# Altium PCB OBC.PcbDoc (part 2 of 3)
Units mm, origin at the board's own origin, x right, y up, seen from the top; angles counter-clockwise.
Board outline 90.1 x 95.9 mm, 4 copper layers (Top Layer, GND, VCC, Bottom Layer), stack 1.536 mm thick; 98 components, 128 nets, 651 pads, 791 vias.
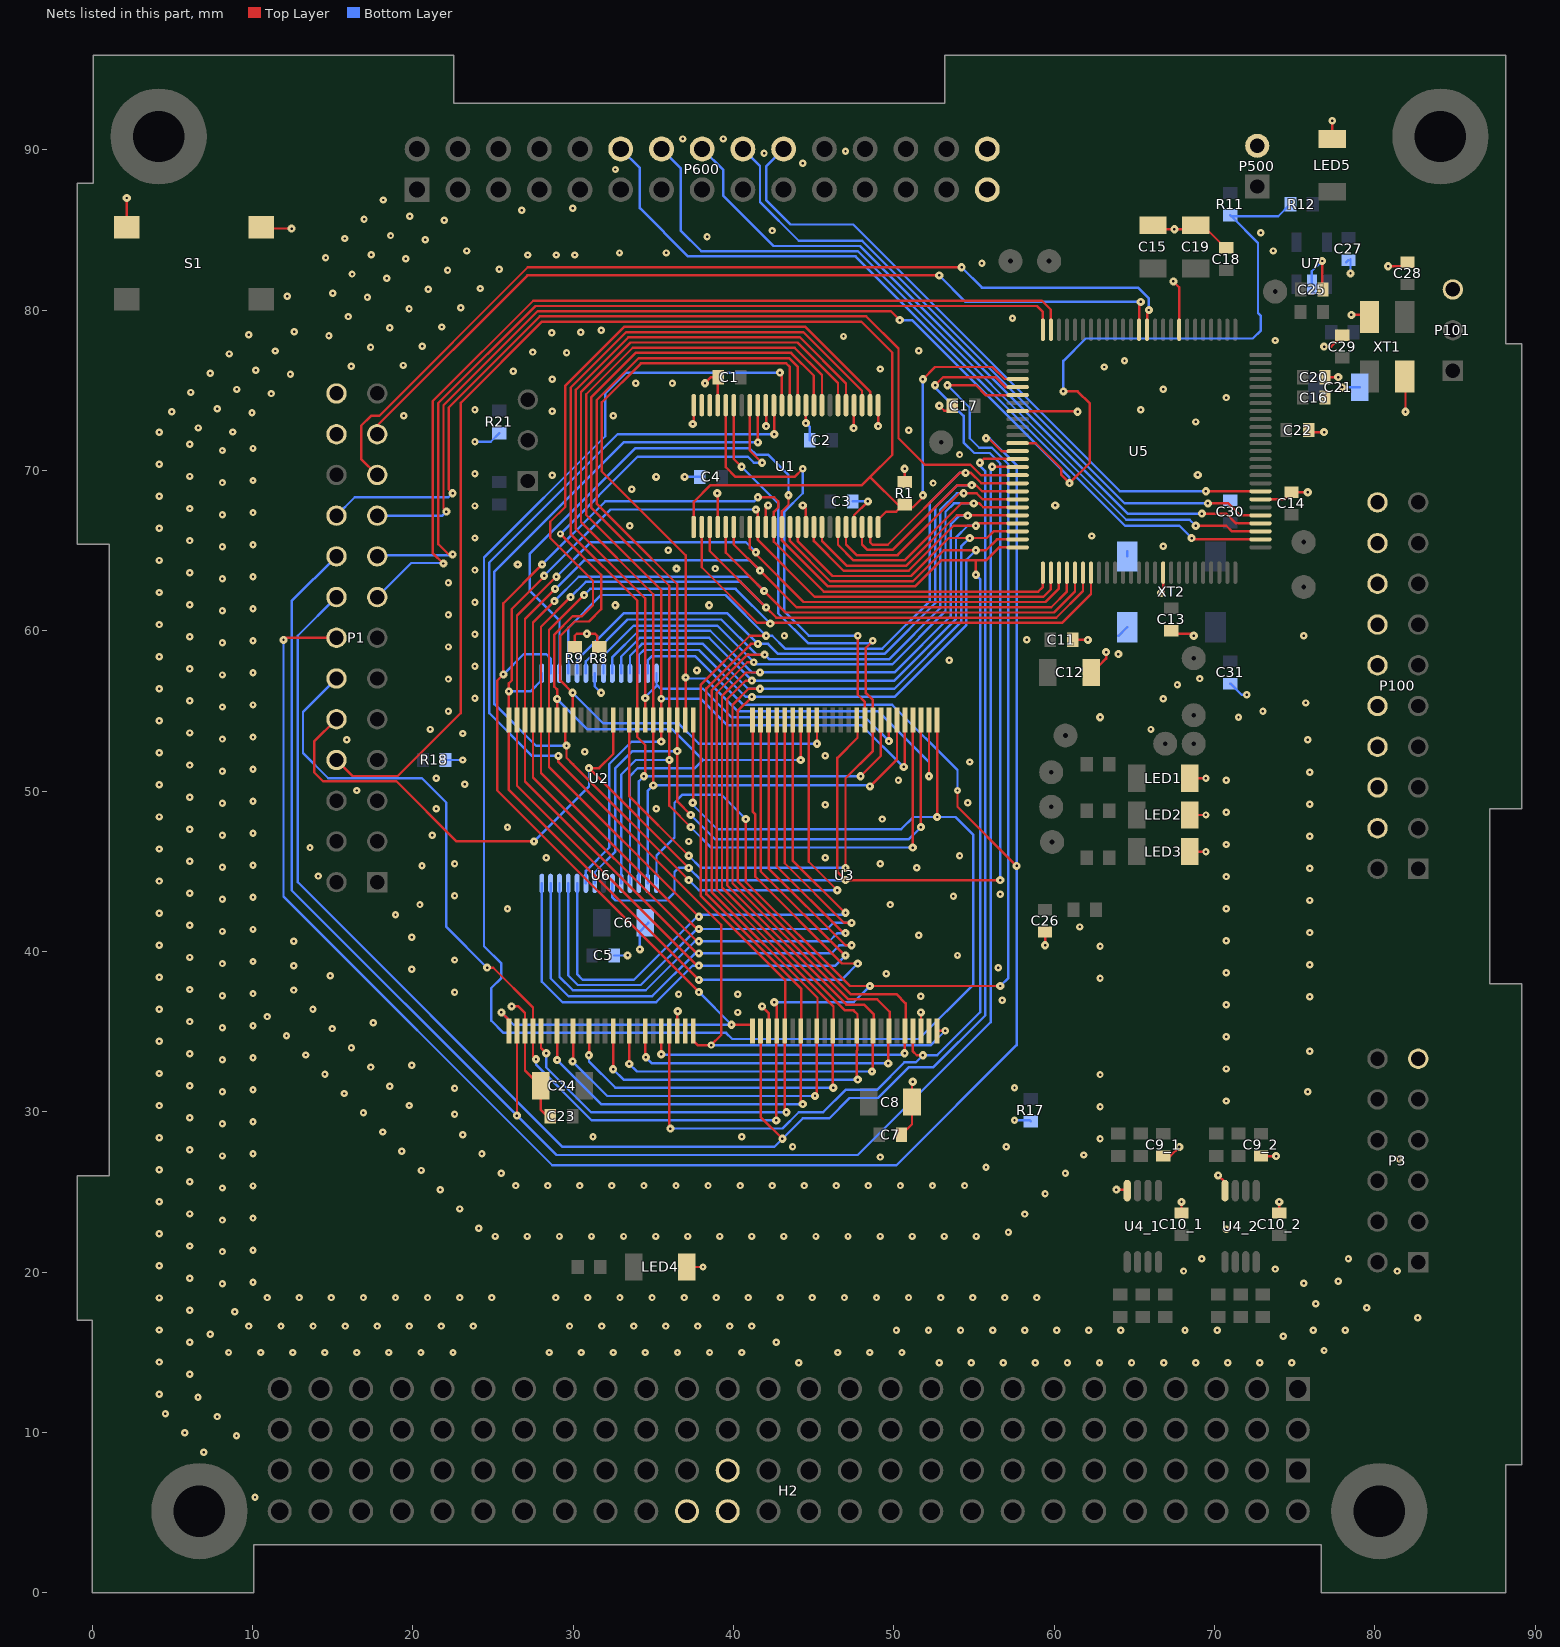
[diagram p4: the nets of this part, all layers, seen from the top]

## Via types
v1: diameter 0.457, hole 0.152, Top Layer to Bottom Layer, tented both sides, 518 vias
v2: diameter 0.508, hole 0.152, Top Layer to Bottom Layer, tented both sides, 273 vias

## Nets (pads, with @x,y where several pads share a name; then routed paths per layer and width w, separated by ;. In a path a pad name is that pad's centre, name@x,y a point inside that pad or via, vN(x,y) a via of type N, cw(c..) or ccw(c..) an arc to the next point about the centre after c; other vN are vias at no path point) (continued)
DBG_PC14: P1.15 U5.74 | length 58
  Top Layer w0.15: v2(21.905,64.196) 21.24,64.861 21.24,74.313 27.51,80.582 59.245,80.582 59.8,80.027 U5.74@59.8,78.802
  Bottom Layer w0.15: P1.15@17.78,62.103 19.905,64.228 21.873,64.228 v2(21.905,64.196)
DBG_PC15: P1.17 U5.75 | length 56.2
  Top Layer w0.15: v2(22.479,64.77) 22.225,64.77 21.59,65.405 21.59,74.198 27.649,80.257 58.935,80.257 59.3,79.892 U5.75@59.3,78.802
  Bottom Layer w0.15: P1.17@17.78,64.643 17.837,64.7 22.409,64.7 v2(22.479,64.77)
DBG_PE2: P1.21 U5.62 | length 59.5
  Top Layer w0.15: P1.21@17.78,69.723 16.78,70.723 16.78,72.787 17.399,73.406 17.907,73.406 27.174,82.673 54.225,82.673 v2(54.229,82.677) ; U5.62@65.8,78.802 65.8,79.897 v2(65.913,80.01)
  Bottom Layer w0.15: v2(54.229,82.677) 55.499,81.407 65.229,81.407 65.913,80.723 v2(65.913,80.01)
DBG_PE3: P1.23 U5.63 | length 54.5
  Top Layer w0.15: P1.23@17.78,72.263 17.78,72.798 27.151,82.169 v2(52.832,82.169) ; U5.63@65.3,78.802 65.3,80.413 v2(65.405,80.518)
  Bottom Layer w0.15: v2(52.832,82.169) 54.483,80.518 v2(65.405,80.518)
DBG_PF9: P1.19 R11.2 R12.2 U5.87 | length 96.2
  Top Layer w0.15: v2(22.098,67.437) 21.915,67.62 21.915,74.064 27.784,79.932 49.819,79.932 v2(50.377,79.375) ; U5.87@57.7,71.702 U5.87@57.725,71.702 58.854,71.702 60.452,70.104 60.452,69.723 v2(60.96,69.215) 62.23,70.485 62.23,74.168 61.468,74.93 v2(60.579,74.93)
  Bottom Layer w0.15: P1.19@17.78,67.183 21.844,67.183 v2(22.098,67.437) ; v2(50.377,79.375) 51.139,79.375 60.96,69.554 v2(60.96,69.215) ; v2(60.579,74.93) 60.579,76.835 61.976,78.232 72.39,78.232 72.898,78.74 72.898,79.629 72.715,79.812 72.715,84.193 R11.2@71.056,85.852 ; R11.2@70.993,85.915 R11.2@71.056,85.852 ; R12.2@74.739,86.614 73.977,85.852 R11.2@71.056,85.852
EBI_A00: U1.36 U2.17 U3.45 U5.100 U6.45 | length 107.6
  Top Layer w0.15: U6.45@35.998,35.047 36.002,35.043 36.002,29.017 v2(36.063,28.956) ; v2(43.434,68.453) 43.434,67.866 43.021,67.453 U1.36@43.021,66.473 43.021,65.639 45.891,62.769 51.333,62.769 52.953,64.389 55.118,64.389 ; U3.45@51.196,35.047 51.196,33.767 51.435,33.528 v2(51.816,33.528) ; v2(55.118,63.5) 55.118,64.389 ; U5.100@57.7,65.202 56.566,65.202 55.753,64.389 55.118,64.389
  Bottom Layer w0.15: U2.17@29.148,57.35 29.148,60.641 27.305,62.484 27.305,64.812 33.867,71.374 41.021,71.374 41.402,70.993 42.164,70.993 43.434,69.723 v2(43.434,68.453) ; v2(36.063,28.956) 43.053,28.956 44.069,29.972 45.593,29.972 46.99,31.369 48.943,31.369 50.665,33.091 51.379,33.091 v2(51.816,33.528) 52.705,33.528 55.386,36.209 55.386,63.232 v2(55.118,63.5)
EBI_A01: U1.35 U2.16 U3.25 U5.1 U6.25 | length 96.9
  Top Layer w0.15: v2(25.527,36.195) 25.998,35.724 U6.25@25.998,35.047 U6.25@25.998,34.507 ; v2(28.067,64.135) 25.654,61.722 v2(25.654,57.277) 25.273,56.896 25.273,50.038 v2(37.846,37.465) ; v2(39.878,35.433) 41.196,35.433 U3.25@41.196,35.047 ; v2(41.529,68.326) 42.545,68.326 42.799,68.072 42.799,67.691 42.521,67.413 U1.35@42.521,66.473 42.521,65.556 45.633,62.444 59.015,62.444 59.3,62.729 U5.1@59.3,63.602
  Bottom Layer w0.15: v2(25.527,36.195) 26.289,35.433 v2(39.878,35.433) v2(37.846,37.465) ; v2@25.658,57.273 v2(25.654,57.277) 26.924,58.547 28.321,58.547 28.598,58.27 U2.16@28.598,57.35 ; v2(28.067,64.135) 32.004,68.072 41.275,68.072 v2(41.529,68.326)
EBI_A02: U1.33 U2.15 U3.24 U5.2 U6.24 | length 100.5
  Top Layer w0.15: v2(28.194,63.436) 28.194,63.373 26.177,61.356 26.177,56.907 25.998,56.728 v2(25.998,56.224) U6.24@25.998,54.447 25.998,50.075 v2(37.846,38.227) ; U3.24@41.196,54.447 41.196,48.72 41.371,48.545 41.371,44.658 46.781,39.247 47.748,39.247 v2(47.752,39.243) ; v2(41.402,67.564) 41.512,67.564 41.521,67.556 U1.33@41.521,66.473 41.521,65.667 45.069,62.119 59.325,62.119 59.8,62.594 U5.2@59.8,63.602
  Bottom Layer w0.15: v2(25.998,56.224) 27.349,56.224 28.048,56.923 U2.15@28.048,57.35 ; v2(28.194,63.436) 32.322,67.564 v2(41.402,67.564) ; v2(37.846,38.227) 46.736,38.227 v2(47.752,39.243)
EBI_A03: U1.32 U2.14 U3.23 U5.3 U6.23 | length 110.8
  Top Layer w0.15: v2(28.956,63.373) 28.927,63.373 26.502,60.948 26.502,54.451 U6.23@26.498,54.447 26.498,50.337 37.719,39.116 v2(37.846,39.116) ; U1.32@41.021,66.473 41.021,65.151 41.275,64.897 v2(41.402,64.897) 41.402,64.77 44.378,61.794 59.459,61.794 60.3,62.634 U5.3@60.3,63.602 ; U3.23@41.696,54.447 41.696,45.004 46.948,39.751 v2(46.99,39.751)
  Bottom Layer w0.15: U2.14@28.048,44.25 28.048,38.119 29.337,36.83 35.179,36.83 37.465,39.116 v2(37.846,39.116) 46.355,39.116 v2(46.99,39.751) ; v2(28.956,63.373) 31.115,65.532 40.767,65.532 v2(41.402,64.897)
EBI_A04: U1.30 U2.13 U3.22 U5.4 U6.22 | length 109.8
  Top Layer w0.15: v2(28.878,62.611) 26.998,60.731 U6.22@26.998,54.447 26.998,50.599 37.719,39.878 v2(37.846,39.878) ; U1.30@40.021,66.473 40.021,65.389 v2(41.656,63.754) 43.941,61.469 59.818,61.469 60.8,62.451 U5.4@60.8,63.602 ; U3.22@42.196,54.447 42.196,45.18 46.99,40.386 v2(47.371,40.386)
  Bottom Layer w0.15: U2.13@28.598,44.25 28.598,38.331 29.718,37.211 34.925,37.211 37.592,39.878 v2(37.846,39.878) 46.101,39.878 46.609,40.386 v2(47.371,40.386) ; v2(28.878,62.611) 28.907,62.611 30.685,64.389 41.021,64.389 v2(41.656,63.754)
EBI_A05: U1.29 U2.12 U3.21 U5.5 U6.21 | length 107.6
  Top Layer w0.15: v2@28.892,61.912 v2(28.829,61.849) 27.498,60.518 U6.21@27.498,54.447 27.498,50.861 37.719,40.64 v2(37.846,40.64) ; U1.29@39.521,66.473 39.521,64.873 v2(41.91,62.484) 43.25,61.144 60.001,61.144 61.3,62.443 U5.5@61.3,63.602 ; U3.21@42.696,54.447 42.696,45.315 46.863,41.148 v2(46.99,41.148)
  Bottom Layer w0.15: v2(28.829,61.849) 30.353,63.373 41.021,63.373 v2(41.91,62.484) ; U2.12@29.148,44.25 29.148,38.416 29.983,37.581 34.533,37.581 37.592,40.64 v2(37.846,40.64) 45.974,40.64 46.482,41.148 v2(46.99,41.148)
EBI_A06: U1.27 U2.11 U3.20 U5.6 U6.20 | length 107.1
  Top Layer w0.15: v2(29.845,62.103) 27.998,60.256 U6.20@27.998,54.447 27.998,51.123 37.719,41.402 v2(37.846,41.402) ; U1.27@38.521,66.473 38.521,64.976 v2(42.037,61.46) 42.678,60.819 60.135,60.819 61.8,62.483 U5.6@61.8,63.602 ; U3.20@43.196,54.447 43.196,45.5 46.912,41.783 v2(47.371,41.783)
  Bottom Layer w0.15: U2.11@29.698,44.25 29.698,38.501 30.293,37.906 34.223,37.906 37.719,41.402 v2(37.846,41.402) 45.847,41.402 46.228,41.783 v2(47.371,41.783) ; v2(29.845,62.103) 30.79,63.048 40.449,63.048 v2(42.037,61.46)
EBI_A07: U1.26 U2.10 U3.19 U5.7 U6.19 | length 105.5
  Top Layer w0.15: v2(30.685,62.23) 28.494,60.039 28.494,54.451 U6.19@28.498,54.447 28.498,51.512 v2(37.846,42.164) ; U1.26@38.021,66.473 38.021,63.96 41.487,60.494 42.291,60.494 60.494,60.494 62.3,62.3 U5.7@62.3,63.602 ; U3.19@43.696,54.447 43.692,54.443 43.692,45.674 46.948,42.418 v2(46.99,42.418)
  Bottom Layer w0.15: U2.10@30.248,44.25 30.248,38.586 30.603,38.231 33.786,38.231 37.719,42.164 v2(37.846,42.164) 37.973,42.291 46.863,42.291 v2(46.99,42.418) ; v2(30.685,62.23) 31.066,62.611 40.132,62.611 v2(42.291,60.452)
EBI_A08: U1.2 U2.4 U3.18 U6.18 | length 77.7
  Top Layer w0.15: U6.18@28.998,54.447 v2(28.998,55.753) 28.998,56.346 28.829,56.515 28.829,59.769 29.964,60.904 30.551,60.904 31.242,61.595 31.242,63.119 28.575,65.786 28.575,66.802 29.515,67.742 29.515,75.295 33.177,78.957 44.491,78.957 48.521,74.928 U1.2@48.521,74.073 ; v2(44.196,51.943) U3.18@44.196,54.447
  Bottom Layer w0.15: v2(28.998,55.753) 30.903,53.848 36.195,53.848 38.1,51.943 ; U2.4@33.548,44.25 33.548,50.947 34.036,51.435 37.592,51.435 38.1,51.943 ; v2(44.196,51.943) 38.1,51.943
EBI_A09: U1.3 U2.3 U3.8 U6.8 | length 72.7
  Top Layer w0.15: U6.8@33.923,54.522 U6.8@33.994,54.451 ; v2(34.417,50.927) 34.502,51.012 34.502,52.874 33.998,53.378 U6.8@33.998,54.447 U6.8@33.994,54.451 ; v2(47.927,50.927) 49.192,52.191 49.192,54.443 U3.8@49.196,54.447 ; U1.3@48.021,74.073 48.021,74.969 44.357,78.632 33.312,78.632 29.84,75.161 29.84,66.045 33.998,61.887 33.998,56.012 33.994,56.008 U6.8@33.994,54.451
  Bottom Layer w0.15: U2.3@34.098,44.25 34.098,50.608 v2(34.417,50.927) v2(47.927,50.927)
EBI_A10: U1.5 U2.28 U3.7 U6.7 | length 62.3
  Top Layer w0.15: U6.7@34.498,54.447 v2(34.498,55.799) 34.498,62.022 30.165,66.355 30.165,75.026 33.446,78.307 44.144,78.307 47.021,75.431 U1.5@47.021,74.073 ; v2(49.696,53.125) U3.7@49.696,54.447
  Bottom Layer w0.15: v2(34.498,55.799) 34.498,55.863 35.198,56.563 35.198,56.642 ; U2.28@35.198,57.35 35.198,56.642 ; v2(49.696,53.125) 48.21,54.61 39.878,54.61 38.1,56.388 35.452,56.388 35.198,56.642
EBI_A11: U1.6 U2.2 U3.6 U6.6 | length 70.8
  Top Layer w0.15: v2(35,50.36) 34.994,50.366 34.994,54.443 U6.6@34.998,54.447 35.002,54.451 35.002,62.28 30.49,66.792 30.49,74.892 33.581,77.982 43.987,77.982 46.521,75.449 U1.6@46.521,74.073 ; v2(48.514,50.292) 50.2,51.978 U3.6@50.2,54.416 ; U3.6@50.165,54.416 U3.6@50.196,54.447
  Bottom Layer w0.15: U2.2@34.648,44.25 34.648,50.009 v2(35,50.36) 48.446,50.36 v2(48.514,50.292)
EBI_A12: U1.8 U2.9 U3.5 U6.5 | length 73.8
  Top Layer w0.15: v2(35.498,53.086) U6.5@35.498,54.447 v1(35.498,55.753) 35.498,62.546 30.815,67.229 30.815,74.757 33.715,77.657 43.812,77.657 45.521,75.949 U1.8@45.521,74.073 ; v2(50.621,51.51) 50.696,51.585 U3.5@50.696,54.447
  Bottom Layer w0.15: U2.9@30.798,44.25 30.798,45.022 32.258,46.482 32.258,51.689 33.655,53.086 v2(35.498,53.086) ; v1(35.498,55.753) 37.973,55.753 39.624,54.102 48.005,54.102 50.598,51.51 v2(50.621,51.51)
EBI_A13: U1.9 U2.5 U3.4 U6.4 | length 79.3
  Top Layer w0.15: v2(37.338,47.752) 36.002,49.088 v2(36.002,51.943) 36.002,52.283 35.994,52.291 35.994,52.709 36.002,52.717 36.002,53.295 35.998,53.299 U6.4@35.998,54.447 35.998,62.808 31.14,67.666 31.14,74.574 33.898,77.332 43.598,77.332 45.021,75.909 U1.9@45.021,74.073 ; v2(51.181,46.482) 51.185,46.486 51.185,54.436 U3.4@51.196,54.447
  Bottom Layer w0.15: U2.5@32.998,44.25 32.998,51.032 33.909,51.943 v2(36.002,51.943) ; v2(37.338,47.752) 38.608,46.482 v2(51.181,46.482)
EBI_A14: U1.11 U2.8 U3.3 U6.3 | length 78.6
  Top Layer w0.15: v2(37.338,48.514) 36.506,49.346 36.506,52.492 v2(36.498,52.5) U6.3@36.498,54.447 36.494,54.451 36.494,56.47 36.498,56.474 36.498,62.904 33.332,66.069 33.33,66.069 31.465,67.934 31.465,74.382 34.09,77.007 43.461,77.007 44.021,76.447 U1.11@44.021,74.073 ; v2(51.689,47.752) 51.692,47.755 51.692,54.443 U3.3@51.696,54.447
  Bottom Layer w0.15: U2.8@31.348,44.25 31.348,44.937 32.639,46.228 32.639,51.435 33.704,52.5 v2(36.498,52.5) ; v2(37.338,48.514) 38.862,46.99 50.927,46.99 v2(51.689,47.752)
EBI_A15: U1.12 U3.2 U6.2 | length 59
  Top Layer w0.15: U6.2@36.998,54.447 37.019,54.467 v2(37.019,57.088) 37.019,64.708 31.79,69.937 31.79,74.247 34.225,76.682 43.292,76.682 43.521,76.454 U1.12@43.521,74.073 ; v2(52.196,50.928) U3.2@52.196,54.447
  Bottom Layer w0.15: v2(37.019,57.088) 37.08,57.027 38.223,57.027 40.259,54.991 49.022,54.991 52.196,51.817 v2(52.196,50.928)
EBI_A16: U1.13 U3.1 U6.1 | length 128.3
  Top Layer w0.15: v2(37.465,49.276) 37.465,49.215 37.498,49.182 37.498,49.276 U6.1@37.498,54.447 U6.1@37.484,54.461 ; v2(42.894,76.105) 43.021,76.105 U1.13@43.021,74.073 ; U3.1@52.696,54.447 52.7,54.443 52.7,48.392 v2(52.705,48.387)
  Bottom Layer w0.15: v2(37.465,49.276) 37.465,49.149 38.989,47.625 50.458,47.625 51.22,48.387 v2(52.705,48.387) 53.848,48.387 54.962,47.273 54.962,37.944 51.561,34.543 39.928,34.543 39.546,34.925 25.654,34.925 24.892,35.687 24.892,37.719 25.527,38.354 25.527,39.243 24.44,40.33 24.44,64.572 32.004,72.136 32.004,74.803 33.306,76.105 v2(42.894,76.105)
EBI_A17: U1.14 U3.48 U6.48 | length 77.6
  Top Layer w0.15: v2(29.083,52.197) 29.083,51.816 39.243,41.656 39.243,34.798 v1(38.608,34.163) 37.757,34.163 37.498,34.422 U6.48@37.498,35.047 ; U1.14@42.521,74.073 42.545,74.048 v2(42.545,72.263) ; U3.48@52.701,35.052 U3.48@52.696,35.047 53.208,35.047 v1(53.213,35.052)
  Bottom Layer w0.15: v2(29.083,52.197) 27.432,52.197 24.765,54.864 24.765,64.262 32.766,72.263 v2(42.545,72.263) ; v1(38.608,34.163) 52.324,34.163 v1(53.213,35.052)
EBI_A18: U1.16 U3.17 U6.17 | length 70.1
  Top Layer w0.15: U6.17@29.464,54.481 U6.17@29.498,54.447 29.498,52.925 v2(29.587,52.836) 29.587,52.082 30.002,51.667 29.998,51.663 v2(37.211,44.45) ; U1.16@41.521,74.073 41.521,71.763 v2(41.529,71.755) ; U3.17@44.696,54.447 44.7,54.443 44.7,45.595 v2(46.477,43.818)
  Bottom Layer w0.15: v2(29.587,52.836) 27.69,52.836 27.686,52.832 25.09,55.428 25.09,63.698 33.147,71.755 v2(41.529,71.755) ; v2(37.211,44.45) 37.846,43.815 37.849,43.818 v2(46.477,43.818)
EBI_A19: U1.17 U3.16 U6.16 | length 51.2
  Top Layer w0.15: v1(29.21,66.04) 31.75,63.5 31.75,61.341 30.988,60.579 30.099,60.579 29.21,59.69 29.21,56.896 v2(29.972,56.134) 29.972,54.473 U6.16@29.998,54.447 ; U1.17@41.021,74.073 41.021,71.247 v2(41.783,70.485) ; U3.16@45.196,54.447 45.212,54.431 v2(45.212,52.959)
  Bottom Layer w0.15: v1(29.21,66.04) 34.036,70.866 40.894,70.866 41.275,70.485 v2(41.783,70.485) ; v2(29.972,56.134) 31.877,54.229 36.576,54.229 37.846,52.959 v2(45.212,52.959)
EBI_A20: U1.19 U3.9 U6.9 | length 56.1
  Top Layer w0.15: U6.9@33.498,54.447 33.494,54.443 33.494,49.691 v2(37.211,45.974) ; U1.19@40.021,74.073 40.021,70.723 v2(40.513,70.231) ; v2(46.99,45.212) 46.99,50.8 48.696,52.506 U3.9@48.696,54.447 48.696,55.681 48.26,56.116 48.26,58.946 v1(48.696,59.381)
  Bottom Layer w0.15: v2(37.211,45.974) 37.973,45.212 v2(46.99,45.212) ; v2(40.513,70.231) 42.799,67.945 42.799,61.087 44.675,59.211 v1@48.657,59.211
EBI_A21: U1.20 U3.10 | length 29.1
  Top Layer w0.15: U1.20@39.521,74.073 39.521,70.207 40.132,69.596 43.815,69.596 v1(44.323,70.104) ; v1(47.752,59.69) 47.752,56.007 48.196,55.563 U3.10@48.196,54.447
  Bottom Layer w0.15: v1(44.323,70.104) 44.323,68.58 43.18,67.437 43.18,61.214 44.704,59.69 v1(47.752,59.69)
EBI_A22: U1.22
EBI_A23: U1.23
EBI_AD00: U1.47 U2.18 U3.29 U5.92 U6.29 | length 103.4
  Top Layer w0.15: U6.29@27.998,35.047 27.998,33.978 v2(28.321,33.655) ; v2(42.037,59.69) 41.021,59.69 37.973,56.642 37.973,43.459 43.24,38.192 43.24,35.047 U3.29@43.24,34.75 ; U3.29@43.196,35.047 43.196,30.083 v2(43.307,29.972) ; U1.47@48.521,66.473 48.521,65.525 48.677,65.369 49.621,65.369 54.102,69.85 v2(54.483,69.85) 54.815,69.85 55.454,69.211 57.691,69.211 U5.92@57.7,69.202
  Bottom Layer w0.15: v2(28.321,33.655) 28.321,32.766 31.115,29.972 v2(43.307,29.972) ; U2.18@29.698,57.35 29.698,60.178 31.75,62.23 39.497,62.23 v2(42.037,59.69) 42.418,59.69 43.222,58.886 49.283,58.886 52.253,61.857 52.253,68.001 54.102,69.85 v2(54.483,69.85)
EBI_AD01: U1.46 U2.19 U3.31 U5.93 U6.31 | length 100.1
  Top Layer w0.15: v2(28.998,33.232) U6.31@28.998,35.047 ; v2(41.529,59.182) 41.088,59.182 38.313,56.407 38.313,43.579 44.24,37.652 44.24,35.047 U3.31@44.24,34.75 ; U3.31@44.196,35.047 44.196,30.607 v2(44.323,30.48) ; U1.46@48.021,66.473 48.021,65.39 48.367,65.044 49.931,65.044 53.975,69.088 v2(54.864,69.088) 55.117,69.088 55.503,68.702 U5.93@57.7,68.702
  Bottom Layer w0.15: v2(28.998,33.232) 31.75,30.48 v2(44.323,30.48) ; U2.19@30.248,57.35 30.248,58.188 33.147,61.087 39.624,61.087 41.402,59.309 v2@41.402,59.182 ; v2(54.864,69.088) 53.975,69.088 52.578,67.691 52.578,61.722 49.417,58.561 42.785,58.561 42.164,59.182 v2(41.529,59.182) ; v2@41.402,59.182 41.465,59.118 41.529,59.055 v2(41.529,59.182) ; v2@41.402,59.182 v2(41.529,59.182)
EBI_AD02: U1.44 U2.20 U3.33 U5.94 U6.33 | length 98.6
  Top Layer w0.15: v2(29.972,33.147) 29.998,33.173 U6.33@29.998,35.047 ; v2(41.939,58.518) 40.942,58.518 40.912,58.547 38.638,56.273 38.638,43.713 45.24,37.111 45.24,35.047 U3.33@45.24,34.75 ; v2(45.085,30.988) 45.196,31.099 U3.33@45.196,35.047 ; U1.44@47.021,66.473 47.021,65.374 47.676,64.719 50.241,64.719 54.102,68.58 v2(54.356,68.58) 55.166,68.58 55.543,68.202 U5.94@57.7,68.202
  Bottom Layer w0.15: v2(29.972,33.147) 32.131,30.988 v2(45.085,30.988) ; U2.20@30.798,57.35 30.798,58.103 33.401,60.706 39.243,60.706 41.431,58.518 v2(41.939,58.518) 42.221,58.236 49.727,58.236 52.903,61.412 52.903,67.556 53.927,68.58 v2(54.356,68.58)
EBI_AD03: U1.43 U2.22 U3.35 U5.95 U6.35 | length 96.9
  Top Layer w0.15: v2(30.988,33.528) 30.998,33.538 U6.35@30.998,35.047 ; v1(41.275,58.039) 40.864,58.039 38.963,56.138 38.963,43.848 46.24,36.571 46.24,35.047 U3.35@46.24,34.75 ; U3.35@46.196,35.047 46.196,31.528 v2(46.228,31.496) ; U1.43@46.521,66.473 46.521,65.366 47.493,64.394 50.659,64.394 54.211,67.945 v2(54.991,67.945) 55.341,67.945 55.584,67.702 U5.95@57.7,67.702
  Bottom Layer w0.15: v2(30.988,33.528) 30.988,33.147 32.639,31.496 v2(46.228,31.496) ; U2.22@31.898,57.35 31.898,58.441 33.782,60.325 38.989,60.325 v1(41.275,58.039) 41.403,57.911 49.91,57.911 53.228,61.229 53.228,67.422 53.751,67.945 v2(54.991,67.945)
EBI_AD04: U1.41 U2.23 U3.38 U5.96 U6.38 | length 96.3
  Top Layer w0.15: v2(32.498,32.653) U6.38@32.498,35.047 ; v2(41.656,57.404) 41.66,57.4 41.656,57.4 40.763,57.4 39.288,55.925 39.288,43.983 46.949,36.322 47.498,36.322 47.74,36.08 47.74,35.047 U3.38@47.74,34.75 ; U1.41@45.521,66.473 45.521,65.604 47.056,64.069 50.794,64.069 53.928,67.202 54.61,67.202 U5.96@57.7,67.202 ; U3.38@47.696,35.047 47.723,35.02 47.723,33.838 47.696,33.811 47.696,32.06 v2(47.752,32.004)
  Bottom Layer w0.15: U2.23@32.448,57.35 32.448,58.356 34.092,60 38.552,60 41.152,57.4 41.656,57.4 41.66,57.4 v2(41.656,57.404) 50.038,57.404 53.553,60.919 53.553,66.634 54.102,67.183 v2(54.61,67.183) ; v2(32.498,32.653) 33.147,32.004 v2(47.752,32.004)
EBI_AD05: U1.40 U2.24 U3.40 U5.97 U6.40 | length 94.7
  Top Layer w0.15: v2(33.498,32.99) U6.40@33.498,35.047 ; v2(41.148,56.896) 40.767,56.896 39.613,55.742 39.613,44.117 47.042,36.688 48.148,36.688 48.74,36.096 48.74,35.047 U3.40@48.74,34.75 ; U1.40@45.021,66.473 45.021,65.596 46.873,63.744 50.929,63.744 53.733,66.548 v2(55.118,66.548) 55.272,66.702 U5.97@57.7,66.702 ; v2(48.641,32.512) 48.696,32.567 U3.40@48.696,35.047
  Bottom Layer w0.15: U2.24@32.998,57.35 32.998,58.398 34.163,59.563 38.481,59.563 v2(41.148,56.896) 50.038,56.896 53.878,60.736 53.878,65.816 54.61,66.548 v2(55.118,66.548) ; v2(33.498,32.99) 33.976,32.512 v2(48.641,32.512)
EBI_AD06: U1.38 U2.25 U3.42 U5.98 U6.42 | length 96.6
  Top Layer w0.15: U6.42@34.498,35.047 34.498,33.447 v2(34.544,33.401) ; v2(41.656,56.388) 41.652,56.384 40.939,56.384 39.938,55.383 39.938,44.252 47.177,37.013 48.966,37.013 49.74,36.239 49.74,35.047 U3.42@49.74,34.75 ; U1.38@44.021,66.473 44.021,65.58 46.182,63.419 51.063,63.419 53.431,65.786 v2(54.737,65.786) 55.801,65.786 56.218,66.202 U5.98@57.725,66.202 ; v2(49.657,33.02) 49.657,35.008 U3.42@49.696,35.047
  Bottom Layer w0.15: U2.25@33.548,57.35 33.548,58.44 34.29,59.182 38.1,59.182 40.898,56.384 41.656,56.384 44.327,56.384 44.323,56.388 ; v2(34.544,33.401) 34.925,33.02 v2(49.657,33.02) ; v2(41.656,56.388) 44.323,56.388 ; v2(54.737,65.786) 54.203,65.252 54.203,60.553 50.038,56.388 44.323,56.388
EBI_AD07: U1.37 U2.26 U3.44 U5.99 U6.44 | length 92.2
  Top Layer w0.15: v2(35.498,33.59) U6.44@35.498,35.047 ; v2(41.148,55.88) 40.263,54.995 40.263,44.386 47.311,37.338 50.165,37.338 50.74,36.763 50.74,35.047 50.718,35.025 50.673,34.98 v2(50.673,33.652) ; U1.37@43.521,66.473 43.521,65.598 46.025,63.094 51.198,63.094 53.128,65.024 v2(55.118,65.024) 55.753,65.024 56.431,65.702 U5.99@57.7,65.702
  Bottom Layer w0.15: U2.26@34.098,57.35 34.098,58.482 34.417,58.801 37.846,58.801 40.767,55.88 v2(41.148,55.88) 50.038,55.88 54.528,60.37 54.528,64.434 v2(55.118,65.024) ; v2(35.498,33.59) 35.531,33.557 50.578,33.557 v2(50.673,33.652)
EBI_ALE: P1.8 R1.2 U1.25 U1.48 U5.79 | length 100.9
  Top Layer w0.15: P1.8@15.24,51.943 16.24,50.943 19.066,50.943 22.987,54.864 22.987,74.216 28.053,79.282 47.972,79.282 49.911,77.343 49.911,70.981 48.526,69.596 ; U1.25@37.521,66.473 37.521,68.04 38.569,69.088 48.018,69.088 48.526,69.596 ; U1.48@49.021,66.473 49.021,66.928 49.53,67.437 50.153,67.437 R1.2@50.419,67.703 ; v2(51.816,68.453) 51.816,68.326 51.193,67.703 50.673,67.703 R1.2@50.419,67.703 ; v2(51.816,75.692) 52.578,76.454 56.167,76.454 56.919,75.702 U5.79@57.7,75.702 ; 48.526,69.596 R1.2@50.419,67.703
  Bottom Layer w0.15: v2(51.816,68.453) v2(51.816,75.692)
EBI_CS0: P1.14 U2.27 U5.88 | length 146.9
  Top Layer w0.15: v2(11.938,59.436) 12.065,59.563 P1.14@15.24,59.563 ; v1(53.975,50.038) 53.975,49.022 v2(57.658,45.339) ; v2(55.753,72.009) 55.918,72.009 56.725,71.202 U5.88@57.7,71.202
  Bottom Layer w0.15: v2(11.938,59.436) 11.938,43.434 28.702,26.67 50.165,26.67 57.658,34.163 v2(57.658,45.339) 57.658,70.339 55.988,72.009 v2(55.753,72.009) ; U2.27@34.648,57.35 34.648,58.143 34.925,58.42 37.592,58.42 40.636,55.376 49.907,55.376 53.975,51.308 v1(53.975,50.038)
EBI_CS1: P1.16 U3.26 U5.89 | length 116.2
  Top Layer w0.15: U3.26@41.696,35.047 41.696,29.678 v2(43.053,28.321) ; v2(55.372,70.485) 55.622,70.735 57.667,70.735 U5.89@57.7,70.702
  Bottom Layer w0.15: P1.16@15.24,62.103 12.827,59.69 12.827,44.323 29.337,27.813 42.545,27.813 v2(43.053,28.321) 44.323,29.591 45.974,29.591 47.244,30.861 49.022,30.861 50.927,32.766 52.451,32.766 55.711,36.026 55.711,69.941 55.372,70.28 v2(55.372,70.485)
EBI_CS2: P1.18 U5.90 U6.26 | length 117.4
  Top Layer w0.15: v2(26.498,29.763) U6.26@26.498,35.047 ; v2(56.134,70.231) 57.671,70.231 U5.90@57.7,70.202
  Bottom Layer w0.15: P1.18@15.24,64.643 12.446,61.849 12.446,43.815 v2(26.498,29.763) 28.956,27.305 47.752,27.305 56.036,35.589 56.036,70.133 v2(56.134,70.231)
EBI_CS3: P1.20 U5.91 | length 58.5
  Top Layer w0.15: v2(22.479,68.58) 22.24,68.819 22.24,73.929 27.918,79.607 48.282,79.607 50.292,77.597 50.292,72.009 51.943,70.358 54.786,70.358 55.442,69.702 U5.91@57.7,69.702
  Bottom Layer w0.15: P1.20@15.24,67.183 16.383,68.326 22.225,68.326 v2(22.479,68.58)
EBI_REN: P1.12 U2.1 U3.28 U5.81 U6.28 | length 142.3
  Top Layer w0.15: v2(24.638,38.989) 25.019,38.989 27.498,36.51 U6.28@27.498,35.047 27.498,33.462 v2(27.686,33.274) ; v2(40.767,48.26) 40.767,44.342 47.263,37.846 v2(48.514,37.846) v2(56.642,37.846) ; v2(42.545,36.83) 42.696,36.679 U3.28@42.696,35.047 42.672,35.023 v2(42.672,29.464) ; v2(53.34,75.311) 55.118,75.311 55.727,74.702 U5.81@57.7,74.702
  Bottom Layer w0.15: P1.12@15.24,57.023 13.152,54.935 13.152,52.38 14.732,50.8 20.574,50.8 22.098,49.276 22.098,41.529 v2(24.638,38.989) ; v2(27.686,33.274) 27.686,32.941 31.163,29.464 v2(42.672,29.464) ; U2.1@35.198,44.25 35.198,45.993 36.322,47.117 36.322,49.276 36.83,49.784 39.243,49.784 v2(40.767,48.26) ; v2@42.672,36.83 47.498,36.83 v2(48.514,37.846) ; v2(53.34,75.311) 54.737,73.914 54.737,72.009 55.33,71.416 56.122,71.416 57.15,70.387 57.15,38.354 v2(56.642,37.846)
EBI_WEN: P1.10 U2.6 U3.11 U5.80 U6.11 | length 114.6
  Top Layer w0.15: P1.10@15.24,54.483 13.843,53.086 13.843,51.181 14.406,50.618 18.978,50.618 22.733,46.863 v2(27.559,46.863) ; U6.11@32.498,54.447 32.508,54.437 32.508,52.32 31.623,51.435 v2(30.988,51.435) v2(37.211,45.212) ; U3.11@47.74,54.15 47.74,53.328 46.482,52.07 46.482,44.958 v2(46.99,44.45) v2(56.642,44.45) v2@56.515,44.323 ; v2(52.578,75.311) 53.086,75.819 56.343,75.819 56.959,75.202 U5.80@57.7,75.202
  Bottom Layer w0.15: v2(27.559,46.863) 30.988,50.292 v2(30.988,51.435) ; U2.6@32.448,44.25 32.448,43.371 32.639,43.18 35.814,43.18 36.322,43.688 36.322,44.958 36.576,45.212 v2(37.211,45.212) 37.973,44.45 v2(46.99,44.45) ; v2(52.578,75.311) 52.578,75.184 54.356,73.406 54.356,71.755 55.02,71.091 55.987,71.091 56.642,70.436 v2(56.642,44.45)
GND: C1.2 C2.2 C3.2 C4.2 C5.2 C6.2 C7.2 C8.2 C9_1.2 C9_2.2 C10_1.2 C10_2.2 C11.2 C12.2 C13.2 C14.2 C15.2 C16.2 C17.2 C18.2 C19.2 C20.2 C21.2 C22.2 C23.2 C24.2 C25.2 C26.2 C27.1 C28.2 C29.2 C30.1 C31.2 H2.29 H2.30 H2.32 LED1.K LED2.K LED3.K LED4.K LED5.K P1.24 P1.26 P3.11 P100.4 P100.6 P100.8 P100.10 P100.12 P100.14 P100.16 P100.18 P100.20 P101.3 P500.2 P600.29 P600.30 R1.1 R8.2 R9.2 R17.2 R18.2 R21.2 S1.2 S1.3 U1.1 U1.4 U1.10 U1.15 U1.21 U1.24 U1.28 U1.34 U1.39 U1.45 U2.21 U3.27 U3.46 U3.47 U4_1.4 U4_2.4 U5.16 U5.32 U5.58 U5.83 U6.27 U6.46 U6.47 U7.2 XT1.3 XT1.4 XT2.2 XT2.3 | length 98.2
  Top Layer w0.15: S1.3@2.15,85.181 2.159,85.19 v2(2.159,86.995) ; S1.2@10.55,85.181 10.641,85.09 v2(12.446,85.09) ; v2(26.162,36.576) 26.591,36.576 26.998,36.169 U6.27@26.998,35.047 26.998,32.565 27.964,31.599 27.987,31.576 27.987,30.114 28.479,29.622 C23.2@28.637,29.464 ; R9.2@30.099,59.118 30.099,59.69 30.226,59.817 v2(30.861,59.817) 31.369,59.817 31.496,59.69 R8.2@31.496,59.118 ; U6.46@36.498,35.047 36.498,36.273 v2(36.527,36.273) ; LED4.K@37.083,20.32 v1(38.1,20.32) ; v2(37.465,72.898) 37.521,72.954 U1.24@37.521,74.073 ; v2(38.227,75.438) 38.608,75.819 39.051,75.819 39.021,75.789 U1.21@39.021,74.073 ; v2(38.989,68.58) 38.989,68.644 39.021,68.675 39.021,68.58 U1.28@39.021,66.473 ; v2(41.783,36.576) 42.196,36.163 U3.27@42.196,35.047 ; U1.34@42.021,66.473 42.021,67.675 v2(42.164,67.818) ; U1.15@42.021,74.073 42.037,74.056 v2(42.037,72.771) ; v2(44.323,67.818) 44.521,67.62 U1.39@44.521,66.473 ; v2(44.521,72.954) U1.10@44.521,74.073 ; v2(47.498,72.644) 47.498,74.05 U1.4@47.521,74.073 ; U1.45@47.521,66.473 47.521,67.206 v2(48.387,68.072) ; U1.1@49.021,74.073 49.021,72.772 v2(49.022,72.771) ; C7.2@50.482,28.575 51.134,29.225 C8.2@51.134,30.607 51.134,31.83 v2(51.181,31.877) ; R1.1@50.673,69.278 v2(50.673,70.104) ; v2(51.689,36.195) 51.696,36.188 U3.46@51.696,35.047 ; v2(52.832,74.041) 53.148,73.725 C17.2@53.656,73.725 ; U5.83@57.7,73.702 U5.83@57.725,73.702 61.426,73.702 v2(61.468,73.66) ; v2(59.436,40.386) C26.2@59.436,41.212 ; C11.2@61.151,59.436 v2(62.103,59.436) ; C12.2@62.564,57.785 62.764,57.785 63.246,58.267 v2(63.246,58.674) ; v2(63.881,25.146) 64.496,25.146 U4_1.4@64.557,25.085 ; C15.2@66.167,85.043 v2(67.501,85.043) 68.834,85.043 69.516,85.043 70.485,84.074 C18.2@70.485,83.885 ; v2@66.675,62.229 v2(66.675,62.357) 66.798,62.357 66.8,62.359 U5.16@66.8,63.602 ; C9_1.2@66.802,27.24 67.245,27.24 v2(67.818,27.813) ; C13.2@67.31,60.008 67.501,59.817 68.58,59.817 v2(68.707,59.69) ; v2(67.437,81.788) 67.8,81.425 U5.58@67.8,78.802 ; C10_1.2@67.945,23.687 v2(67.945,24.384) ; LED3.K@68.452,46.228 v1(69.469,46.228) ; LED2.K@68.452,48.514 v1(69.469,48.514) ; LED1.K@68.452,50.8 v1(69.469,50.8) ; v2(70.231,26.035) 70.653,25.613 U4_2.4@70.653,25.085 ; C9_2.2@72.898,27.24 v2(73.849,27.24) ; U5.32@72.9,68.202 74.362,68.202 C14.2@74.803,68.644 v2(75.819,68.644) ; C10_2.2@74.041,23.687 v2(74.041,24.384) ; C22.2@75.882,72.39 v2(76.835,72.39) ; v2(76.715,83.065) 76.715,81.464 C25.2@76.772,81.407 ; v2(76.835,77.724) 77.279,77.724 C29.2@77.978,78.422 ; C20.2@76.898,75.819 v2(77.724,75.819) ; LED5.K@77.343,90.677 v1(77.343,91.821) ; v2(78.541,79.701) XT1.4@79.672,79.701 ; v2(80.835,82.74) C28.2@81.788,82.74 ; XT1.3@81.872,75.366 81.915,75.323 v2(81.915,73.66)
  Bottom Layer w0.15: R18.2@22.034,51.943 v1(23.114,51.943) ; v1(23.876,71.787) 24.86,71.787 R21.2@25.4,72.326 ; U2.21@31.348,57.35 31.348,56.536 v2(31.75,56.134) ; C5.2@32.575,39.751 v2(33.401,39.751) ; v2(34.163,40.132) 34.163,41.249 34.597,41.683 C6.2@34.697,41.783 ; v2(36.957,69.596) C4.2@37.908,69.596 ; v2(44.521,72.954) 44.766,72.709 C2.2@44.766,71.882 ; C3.2@47.434,68.072 v2(48.387,68.072) ; v1(57.531,29.464) 58.483,29.464 R17.2@58.547,29.401 ; XT2.2@64.008,59.682 XT2.2@64.56,60.234 ; XT2.3@64.56,64.634 XT2.3@64.56,64.98 ; C31.2@70.993,56.706 71.691,56.007 v1(72.009,56.007) ; U7.2@76.073,81.621 76.073,82.423 v2(76.715,83.065) ; v2(77.978,75.184) C21.2@79.074,75.184 ; C27.1@78.232,82.995 C27.1@78.359,83.121 ; v2(78.486,82.296) 78.486,83.121 C27.1@78.486,83.185
  other v1: 10.16,5.969 6.972,8.776 9.004,9.792 5.772,9.976 7.804,10.992 4.572,11.176 6.604,12.192 4.191,12.39 6.096,13.628 44.069,14.351 52.832,14.351 54.832,14.351 56.832,14.351 58.832,14.351 60.832,14.351 62.832,14.351 64.832,14.351 66.832,14.351 68.832,14.351 70.832,14.351 72.832,14.351 74.832,14.351 4.191,14.39 8.509,14.986 10.509,14.986 12.509,14.986 14.509,14.986 16.509,14.986 18.509,14.986 20.509,14.986 22.509,14.986 28.509,14.986 30.509,14.986 32.509,14.986 34.509,14.986 36.509,14.986 38.509,14.986 40.509,14.986 46.509,14.986 48.509,14.986 50.509,14.986 76.835,15.113 6.096,15.628 42.672,15.621 74.295,16.002 7.366,16.129 4.191,16.39 50.165,16.383 52.165,16.383 54.165,16.383 56.165,16.383 58.165,16.383 60.165,16.383 62.165,16.383 64.165,16.383 68.165,16.383 70.165,16.383 76.165,16.383 78.165,16.383 9.779,16.637 11.779,16.637 13.779,16.637 15.779,16.637 17.779,16.637 19.779,16.637 21.779,16.637 23.779,16.637 29.779,16.637 31.779,16.637 33.779,16.637 35.779,16.637 37.779,16.637 39.779,16.637 41.148,16.637 82.677,17.145 8.89,17.526 6.096,17.628 79.502,17.78 76.327,18.034 4.191,18.39 10.922,18.415 12.922,18.415 14.922,18.415 16.922,18.415 18.922,18.415 20.922,18.415 22.922,18.415 24.922,18.415 28.922,18.415 30.922,18.415 32.922,18.415 34.922,18.415 36.922,18.415 38.922,18.415 40.922,18.415 42.922,18.415 44.922,18.415 46.922,18.415 48.922,18.415 50.922,18.415 52.922,18.415 54.922,18.415 56.922,18.415 58.922,18.415 8.128,19.284 75.565,19.304 10.033,19.374 77.724,19.431 6.096,19.628 68.072,20.066 81.407,20.066 73.787,20.193 4.191,20.39 69.215,20.828 78.359,20.828 8.128,21.284 10.033,21.374 6.096,21.628 25.146,22.225 27.146,22.225 29.146,22.225 31.146,22.225 33.146,22.225 35.146,22.225 37.146,22.225 39.146,22.225 41.146,22.225 43.146,22.225 45.146,22.225 47.146,22.225 49.146,22.225 51.146,22.225 53.146,22.225 55.146,22.225 4.191,22.39 57.15,22.479 70.739,22.673 24.122,22.741 8.128,23.247 10.033,23.374 6.096,23.628 58.166,23.622 22.922,23.941 4.191,24.39 59.436,24.892 21.722,25.141 8.128,25.247 10.033,25.374 26.416,25.4 28.416,25.4 30.416,25.4 32.416,25.4 34.416,25.4 36.416,25.4 38.416,25.4 40.416,25.4 42.416,25.4 44.416,25.4 46.416,25.4 48.416,25.4 50.416,25.4 52.416,25.4 54.416,25.4 6.096,25.628 25.514,26.175 60.706,26.162 20.522,26.341 4.191,26.39 55.753,26.543 81.534,27.051 49.149,27.178 8.128,27.247 61.849,27.305 10.033,27.374 24.314,27.375 19.322,27.541 6.096,27.628 43.688,27.813 57.023,27.813 62.865,28.321 4.191,28.39 31.242,28.448 40.513,28.448 23.114,28.575 18.122,28.741 8.128,29.247 10.033,29.374 6.096,29.628 22.606,29.845 16.922,29.941 62.865,30.321 4.191,30.39 19.773,30.392 70.739,30.673 15.722,31.141 8.128,31.247 75.819,31.242 10.033,31.374 22.606,31.466 57.531,31.496 18.573,31.592 6.096,31.628 62.865,32.321 14.522,32.341 4.191,32.39 70.739,32.673 17.373,32.792 19.939,32.894 8.128,33.247 10.033,33.374 13.322,33.541 6.096,33.628 75.946,33.782 16.173,33.992 4.191,34.39 70.739,34.673 12.122,34.741 14.973,35.192 8.128,35.247 10.033,35.374 17.526,35.56 6.096,35.628 10.922,35.941 40.259,36.195 4.191,36.39 13.773,36.392 70.739,36.673 56.769,36.957 75.946,37.181 51.689,37.211 8.128,37.247 36.576,37.338 40.259,37.338 10.033,37.374 22.606,37.466 12.573,37.592 6.096,37.628 62.865,38.321 4.191,38.39 14.859,38.481 49.53,38.608 70.739,38.673 19.939,38.894 56.515,38.989 12.573,39.116 75.946,39.181 8.128,39.247 10.033,39.374 22.606,39.466 6.096,39.628 53.975,39.751 62.865,40.321 4.191,40.39 12.573,40.64 70.739,40.673 19.939,40.894 51.562,41.021 75.946,41.181 8.128,41.247 10.033,41.374 61.595,41.529 6.096,41.628 18.923,42.291 4.191,42.39 25.908,42.672 70.739,42.673 20.447,42.926 49.784,42.926 75.946,43.181 8.128,43.247 10.033,43.374 53.721,43.434 22.606,43.466 56.642,43.561 6.096,43.628 4.191,44.39 70.739,44.673 14.097,44.704 75.946,45.181 51.435,45.212 8.128,45.247 20.574,45.339 10.033,45.374 22.606,45.466 49.149,45.466 6.096,45.628 28.321,45.847 45.72,45.847 54.102,45.974 4.191,46.39 13.589,46.482 70.739,46.673 37.211,46.863 75.946,47.181 8.128,47.247 21.209,47.244 10.033,47.374 6.096,47.628 25.908,47.752 49.276,48.26 4.191,48.39 70.739,48.673 21.463,48.895 35.179,48.895 45.72,49.149 75.946,49.181 8.128,49.247 54.61,49.276 10.033,49.374 6.096,49.628 16.51,50.038 4.191,50.39 23.241,50.419 50.292,50.673 70.739,50.673 21.463,50.8 75.946,51.181 8.128,51.247 10.033,51.374 6.096,51.628 54.737,51.816 45.72,52.197 4.191,52.39 30.734,52.451 15.875,53.213 75.819,53.213 8.128,53.247 10.033,53.374 23.114,53.594 6.096,53.628 21.082,53.848 66.04,53.848 4.191,54.39 71.501,54.61 22.225,54.992 73.025,54.991 8.128,55.247 10.033,55.374 75.692,55.499 6.096,55.628 66.802,55.753 23.876,55.787 4.191,56.39 67.691,56.642 22.225,56.992 69.088,57.023 8.128,57.247 10.033,57.374 6.096,57.628 23.876,57.787 53.467,58.166 4.191,58.39 22.225,58.992 8.128,59.247 10.033,59.374 58.293,59.436 6.096,59.628 43.18,59.69 75.565,59.69 23.876,59.787 4.191,60.39 22.225,60.992 8.128,61.247 10.033,61.374 6.096,61.628 23.876,61.787 4.191,62.39 22.225,62.992 8.128,63.247 10.033,63.374 6.096,63.628 23.876,63.787 38.862,63.881 4.191,64.39 35.941,65.024 8.128,65.247 66.802,65.278 10.033,65.374 6.096,65.628 23.876,65.787 62.357,65.913 4.191,66.39 33.528,66.548 8.128,67.247 10.033,67.374 6.096,67.628 23.876,67.787 4.191,68.39 33.655,68.834 52.451,69.215 8.128,69.247 10.033,69.374 6.096,69.628 28.702,69.692 23.876,69.787 4.191,70.39 54.102,70.993 8.128,71.247 10.033,71.374 6.096,71.628 4.191,72.39 8.771,72.398 50.927,72.517 6.612,72.652 68.834,73.025 19.431,73.406 32.512,73.406 9.971,73.598 4.961,73.668 28.702,73.692 23.876,73.787 65.405,73.787 7.812,73.852 70.739,74.549 11.171,74.798 6.161,74.868 9.012,75.052 66.802,75.057 33.909,75.438 36.195,75.438 28.702,75.692 12.371,75.998 7.361,76.068 26.276,76.187 10.212,76.252 49.149,76.327 63.119,76.454 16.168,76.493 19.4,76.55 64.389,76.835 8.561,77.268 29.591,77.343 27.476,77.387 11.412,77.452 51.562,77.47 17.368,77.693 20.6,77.75 73.787,78.105 46.863,78.359 14.771,78.398 9.761,78.468 28.676,78.587 30.48,78.613 12.612,78.652 31.75,78.74 18.568,78.893 21.8,78.95 57.404,79.502 15.971,79.598 19.768,80.093 23,80.15 17.171,80.798 12.161,80.868 15.012,81.052 20.968,81.293 24.2,81.35 18.371,81.998 16.212,82.252 22.168,82.493 25.4,82.55 55.499,82.931 19.571,83.198 14.561,83.268 17.412,83.452 27.178,83.439 28.956,83.439 30.099,83.439 32.893,83.566 35.814,83.566 23.368,83.693 73.66,83.693 20.771,84.398 15.761,84.468 38.354,84.582 18.612,84.652 72.898,84.836 42.418,84.963 21.971,85.598 16.961,85.668 19.812,85.852 26.797,86.233 29.972,86.36 18.161,86.868 32.639,88.773 44.323,89.154 41.91,89.789 46.99,89.916 36.83,90.678 39.37,90.678
  other v2: 62.865,54.61 37.719,57.531 64.008,58.547 32.639,61.595 38.481,61.595 36.449,63.881 26.543,64.135 60.071,67.818 35.179,69.596 68.961,69.723
GPIO_PA8: P600.12 U5.27 | length 51.5
  Top Layer w0.15: v2(68.58,65.786) 68.664,65.702 U5.27@72.875,65.702 U5.27@72.9,65.702
  Bottom Layer w0.15: P600.12@32.97,90.05 34.163,88.857 34.163,86.36 37.17,83.353 47.62,83.353 64.425,66.548 67.818,66.548 v2(68.58,65.786)
GPIO_PA9: P600.14 U5.28 | length 49.5
  Top Layer w0.15: v2(68.834,66.548) 70.739,66.548 71.085,66.202 U5.28@72.875,66.202 U5.28@72.9,66.202
  Bottom Layer w0.15: P600.14@35.51,90.05 36.703,88.857 36.703,84.963 37.988,83.678 47.755,83.678 64.504,66.929 68.453,66.929 v2(68.834,66.548)
GPIO_PA10: P600.16 U5.29 | length 45.5
  Top Layer w0.15: v2(69.215,67.31) 70.739,67.31 71.347,66.702 U5.29@72.875,66.702 U5.29@72.9,66.702
  Bottom Layer w0.15: P600.16@38.05,90.05 39.37,88.73 39.37,87.122 42.489,84.003 47.89,84.003 64.583,67.31 v2(69.215,67.31)
GPIO_PA11: P600.18 U5.30 | length 43.1
  Top Layer w0.15: v2(69.596,67.945) 70.866,67.945 71.609,67.202 U5.30@72.875,67.202 U5.30@72.9,67.202
  Bottom Layer w0.15: P600.18@40.59,90.05 41.656,88.984 41.656,86.741 44.069,84.328 48.024,84.328 64.407,67.945 v2(69.596,67.945)
GPIO_PA12: P600.20 U5.33 | length 42
  Top Layer w0.15: v2(69.469,68.707) 72.875,68.707 72.895,68.707 U5.33@72.9,68.702
  Bottom Layer w0.15: P600.20@43.13,90.05 42.037,88.957 42.037,86.868 43.561,85.344 47.468,85.344 64.105,68.707 v2(69.469,68.707)